# Altium PCB PCB1.PcbDoc (part 2 of 2)
Units mil, origin at the board's own origin, x right, y up, seen from the top; angles counter-clockwise.
Board outline 2550 x 3730 mil, 2 copper layers (Top Layer, Bottom Layer); 59 components, 95 nets, 376 pads, 149 vias.
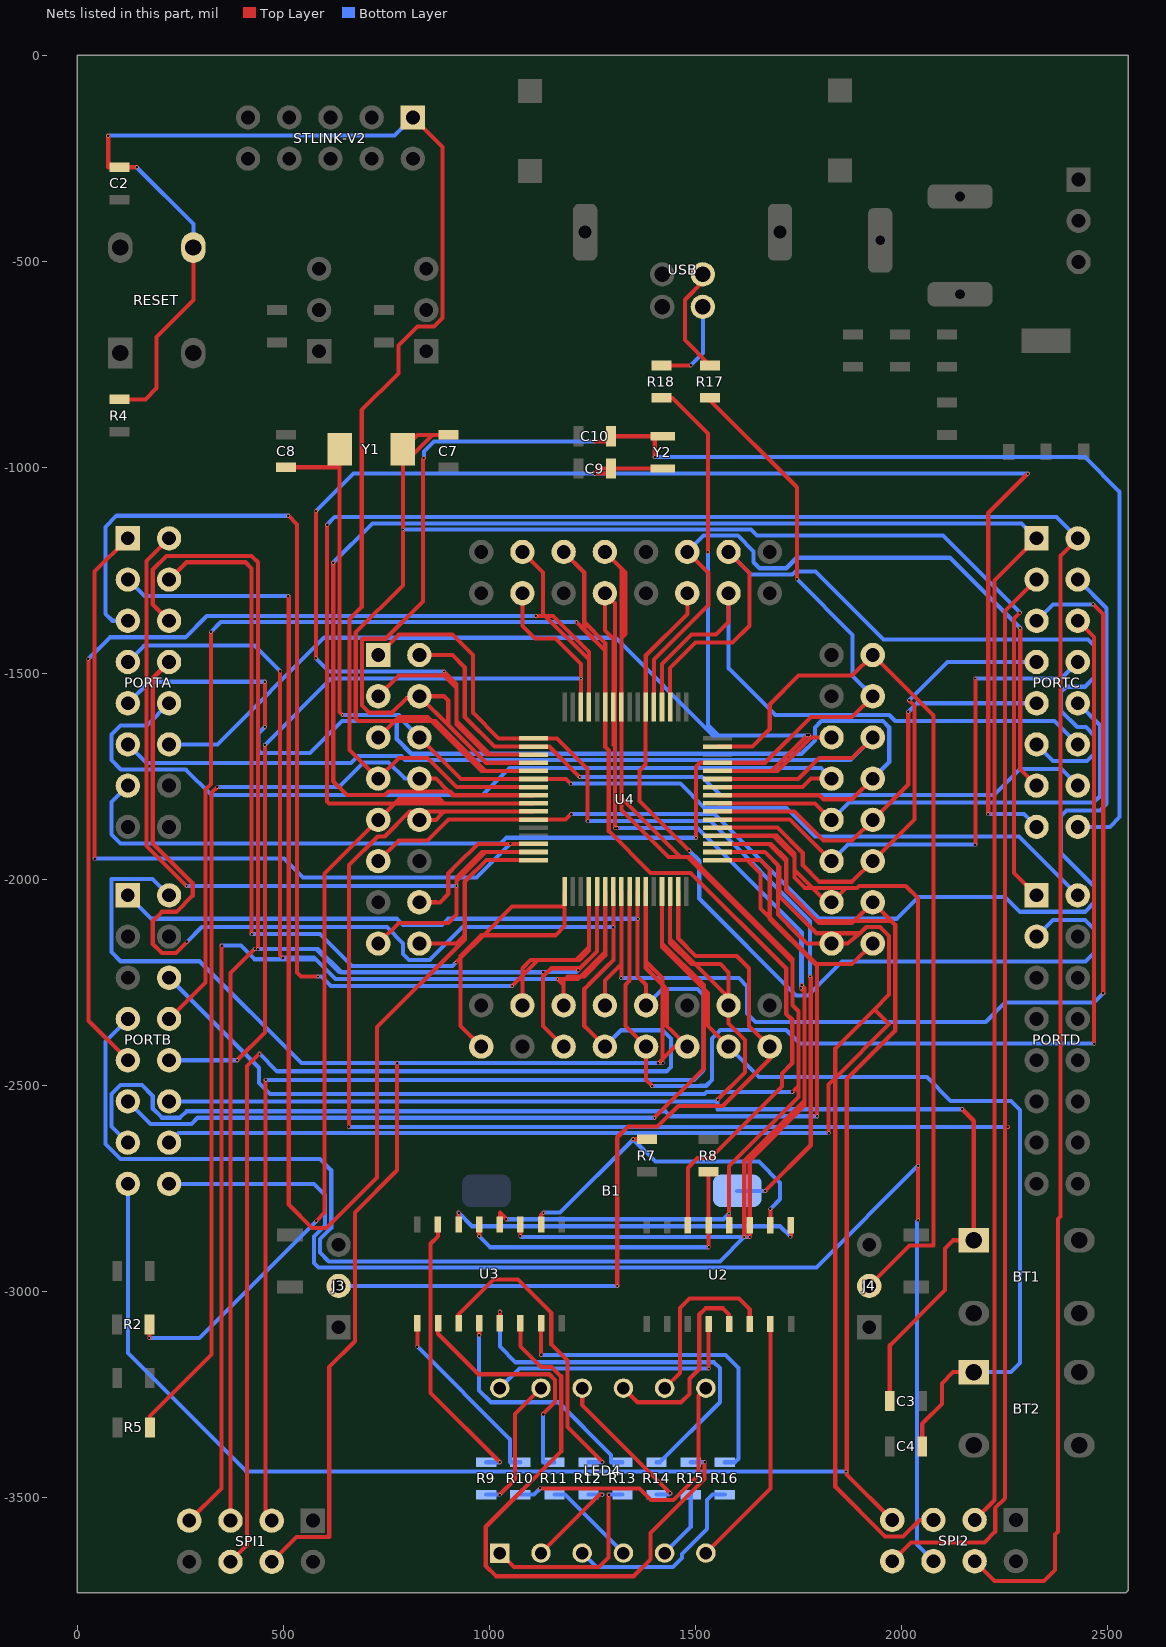
[diagram p2: the nets of this part, all layers, seen from the top]

## Via types
v1: diameter 7.87, hole 5.91, Top Layer to Bottom Layer, 149 vias

## Nets (pads, with @x,y where several pads share a name; then routed paths per layer and width w, separated by ;. In a path a pad name is that pad's centre, name@x,y a point inside that pad or via, vN(x,y) a via of type N, cw(c..) or ccw(c..) an arc to the next point about the centre after c; other vN are vias at no path point) (continued)
NetLED4_1: LED4.1 R13.2 | length 474.4
  Top Layer w10: LED4.1@1025,-3633.86 1059.14,-3668 1266,-3668 1289,-3645 v1(1289,-3492.13)
  Bottom Layer w10: v1(1289,-3492.13) R13.2@1322.83,-3492.13
NetLED4_2: LED4.2 R12.2 | length 241.5
  Top Layer w10: LED4.2@1125,-3633.86 1266.73,-3492.13 v1(1274,-3492.13)
  Bottom Layer w10: R12.2@1240.16,-3492.13 v1(1274,-3492.13)
NetLED4_3: LED4.3 R16.2 | length 479.7
  Bottom Layer w10: LED4.3@1225,-3633.86 1259.14,-3668 1445,-3668 1467,-3646 1467,-3636 1528,-3575 1528,-3505 1540.87,-3492.13 R16.2@1570.87,-3492.13
NetLED4_4: LED4.4 R11.2 | length 226.2
  Bottom Layer w10: R11.2@1157.48,-3492.13 1183.27,-3492.13 LED4.4@1325,-3633.86
NetLED4_5: LED4.5 R15.2 | length 167.9
  Bottom Layer w10: LED4.5@1425,-3633.86 1488.19,-3570.67 R15.2@1488.19,-3492.13
NetLED4_6: LED4.6 U2.7 | length 620.6
  Top Layer w10: LED4.6@1525,-3633.86 1681.59,-3477.27 U2.7@1681.59,-3078.15
NetLED4_7: LED4.7 R10.2 | length 692.9
  Top Layer w10: v1(1123.13,-3477) 1364,-3477 1392,-3505 1446,-3505 1507,-3444 1507,-3251.86 LED4.7@1525,-3233.86
  Bottom Layer w10: R10.2@1074.8,-3492.13 1108,-3492.13 v1(1123.13,-3477)
NetLED4_8: LED4.8 U2.6 | length 435.9
  Top Layer w10: LED4.8@1425,-3233.86 1462,-3196.86 1462,-3039 1485,-3016 1605,-3016 1631.59,-3042.59 U2.6@1631.59,-3078.15
NetLED4_9: LED4.9 U2.5 | length 493.5
  Top Layer w10: LED4.9@1325,-3233.86 1359.14,-3268 1465,-3268 1485,-3248 1485,-3211 1509,-3187 1509,-3055 1524,-3040 1566.59,-3040 1581.59,-3055 U2.5@1581.59,-3078.15
NetLED4_10: LED4.10 R14.2 | length 378.6
  Top Layer w10: LED4.10@1225,-3233.86 1225,-3275 v1(1439,-3489)
  Bottom Layer w10: R14.2@1405.51,-3492.13 1435.87,-3492.13 v1(1439,-3489)
NetLED4_11: LED4.11 R9.2 | length 332.5
  Top Layer w10: v1(1025,-3492) 1062,-3455 1062,-3296.86 LED4.11@1125,-3233.86
  Bottom Layer w10: R9.2@992.13,-3492.13 1024.87,-3492.13 v1(1025,-3492)
NetLED4_12: LED4.12 U2.4 | length 634.3
  Top Layer w10: v1(1531.59,-3186) U2.4@1531.59,-3078.15
  Bottom Layer w10: LED4.12@1025,-3233.86 1072.86,-3186 v1(1531.59,-3186)
NetR7_1: R7.1 U2.10 U3.10 | length 869.3
  Top Layer w10: U3.10@1125.1,-2836.69 1125.1,-2813.9 v1(1131,-2808) ; v1@1348.77,-2630.15 v1(1348.54,-2629.92) R7.1@1381.89,-2629.92 ; U2.10@1681.5,-2838.58 v1(1681.5,-2799)
  Bottom Layer w10: v1(1131,-2808) 1170.92,-2808 v1@1348.77,-2630.15 ; v1(1348.54,-2629.92) v1@1348.77,-2630.15 ; v1(1681.5,-2799) 1705,-2775.5 1705,-2735.5 1653.5,-2684 1402.62,-2684 v1@1348.77,-2630.15
NetR8_1: R8.1 U2.13 U3.13 | length 779.4
  Top Layer w10: v1(975,-2865) 975.1,-2864.9 U3.13@975.1,-2836.69 ; v1(1531.5,-2892) U2.13@1531.5,-2838.58 R8.1@1531.5,-2708.66
  Bottom Layer w10: v1(975,-2865) 1002,-2892 v1(1531.5,-2892)
NetR9_1: R9.1 U3.15 | length 686.7
  Top Layer w10: U3.15@875.1,-2836.69 875.1,-2865.31 857,-2883.41 857,-3245.39 v1(1025,-3413.39)
  Bottom Layer w10: R9.1@992.13,-3413.39 v1(1025,-3413.39)
NetR10_1: R10.1 U3.1 | length 455.1
  Top Layer w10: v1(825.19,-3133) U3.1@825.19,-3076.26
  Bottom Layer w10: v1(825.19,-3133) 1050,-3357.81 1050,-3413.39 R10.1@1074.8,-3413.39
NetR11_1: R11.1 U3.2 | length 594.6
  Top Layer w10: U3.2@875.19,-3076.26 875.19,-3101.69 973.5,-3200 1145,-3200 1159,-3214 1159,-3267.75 v1(1130,-3296.75)
  Bottom Layer w10: v1(1130,-3296.75) 1130,-3413.39 R11.1@1157.48,-3413.39
NetR12_1: R12.1 U3.3 | length 761.8
  Top Layer w10: U3.3@925.19,-3076.26 925.19,-3055 1009.69,-2970.5 1069.5,-2970.5 1150,-3051 1150,-3128 1189,-3167 1189,-3328 v1(1274,-3413)
  Bottom Layer w10: R12.1@1240.16,-3413.39 1273.61,-3413.39 v1(1274,-3413)
NetR13_1: R13.1 U3.4 | length 593.2
  Top Layer w10: v1(975,-3105) 975.19,-3104.81 U3.4@975.19,-3076.26
  Bottom Layer w10: v1(975,-3105) 975,-3239 1004,-3268 1167.24,-3268 1295,-3395.76 1295,-3413.39 R13.1@1322.83,-3413.39
NetR14_1: R14.1 U3.5 | length 965.3
  Top Layer w10: U3.5@1025.19,-3076.26 v1(1025.19,-3048)
  Bottom Layer w10: v1(1025.19,-3048) 1025.19,-3133 1063.19,-3171 1545,-3171 1559,-3185 1559,-3268 1413.61,-3413.39 R14.1@1405.51,-3413.39
NetR15_1: R15.1 U3.6 | length 1471.7
  Top Layer w10: U3.6@1075.19,-3076.26 1075.19,-3132.19 1125,-3182 1151,-3182 1174,-3205 1174,-3387 991,-3570 991,-3665 1016,-3690 1350,-3690 1391,-3649 1391,-3585 1522,-3454 v1(1522,-3413.39)
  Bottom Layer w10: R15.1@1488.19,-3413.39 v1(1522,-3413.39)
NetR16_1: R16.1 U3.7 | length 825.8
  Top Layer w10: v1(1125.19,-3153) U3.7@1125.19,-3076.26
  Bottom Layer w10: v1(1125.19,-3153) 1572.21,-3153 1604.21,-3185 1604.21,-3405 1595.83,-3413.39 R16.1@1570.87,-3413.39
NetR17_1: R17.1 USB.3 | length 264.5
  Top Layer w10: USB.3@1517.72,-531.5 1517.72,-549.28 1474,-593 1474,-690.97 R17.1@1535.43,-752.4
NetR18_2: R18.2 USB.2 | length 225.2
  Top Layer w10: R18.2@1417.32,-752.4 v1(1488,-752.4)
  Bottom Layer w10: v1(1488,-752.4) 1517.72,-722.69 USB.2@1517.72,-610.24
NetU2_9: U2.9 U3.14 | length 885.7
  Top Layer w10: v1(925,-2808) 925.1,-2808.1 U3.14@925.1,-2836.69 ; v1(1729.94,-2865.94) 1731.5,-2864.38 U2.9@1731.5,-2838.58
  Bottom Layer w10: v1(925,-2808) 958,-2841 1705,-2841 v1(1729.94,-2865.94)
PA0: PORTA.1 U4.14 | length 1927.9
  Top Layer w10: v1(42,-1949) 42,-1252.57 PORTA.1@122.64,-1171.93 ; v1(1050,-1913.27) U4.14@1106.5,-1913.27
  Bottom Layer w10: v1(42,-1949) 502,-1949 548,-1995 968.27,-1995 v1(1050,-1913.27)
PA1: PORTA.2 U4.15 | length 1787.8
  Top Layer w10: PORTA.2@222.64,-1171.93 168.11,-1226.45 168.11,-1918.11 v1(265,-2015) ; v1(920,-2015) 920,-2003.79 990.83,-1932.95 U4.15@1106.5,-1932.95
  Bottom Layer w10: v1(265,-2015) v1(920,-2015)
PA2: PORTA.3 U4.16 | length 3165
  Top Layer w10: v1(512,-1312) 513,-1313 513,-2788.15 569.85,-2845 605,-2845 727,-2723 727,-2358 940,-2145 940,-2135 940,-2005 992.36,-1952.64 1045,-1952.64 1064,-1952.64 1066.36,-1952.64 U4.16@1106.5,-1952.64
  Bottom Layer w10: PORTA.3@122.64,-1271.93 162.72,-1312 v1(512,-1312)
PA3: PORTA.4 U4.17 | length 1998.8
  Top Layer w10: PORTA.4@222.64,-1271.93 264.57,-1230 408,-1230 423,-1245 v1(423,-2132) ; v1(919,-2201) 930,-2190 985,-2135 1055,-2065 1182.36,-2065 U4.17@1182.36,-2028.5
  Bottom Layer w10: v1(423,-2132) 589,-2132 666.53,-2209.53 910.47,-2209.53 v1(919,-2201)
PA4: PORTA.5 U4.20 | length 2746
  Top Layer w10: v1(512,-1117) 533,-1138 533,-2225 543,-2235 v1(583.39,-2235) ; v1(1055,-2258) 1080,-2233 1118,-2195 1210,-2195 1218.79,-2195 1241.42,-2172.37 1241.42,-2163.58 U4.20@1241.42,-2028.5
  Bottom Layer w10: PORTA.5@122.64,-1371.93 84.93,-1371.93 68,-1355 68,-1144 95,-1117 v1(512,-1117) ; v1(583.39,-2235) 592,-2235 615,-2258 v1(1055,-2258)
PA5: PORTA.6 SPI1.5 U4.21 | length 4701.9
  Top Layer w10: PORTA.6@222.64,-1371.93 183.11,-1332.4 183.11,-1247.89 216,-1215 423,-1215 438,-1230 v1(438,-2168.45) ; SPI1.5@371.65,-3555.12 371.65,-2226.35 v1(430,-2168) ; v1(1130,-2225) 1130,-2235 1130,-2355 U4.21@1180,-2405 ; v1(1215,-2220) 1220,-2215 1261.1,-2173.9 1261.1,-2165.11 U4.21@1261.1,-2028.5
  Bottom Layer w10: v1(430,-2168) 584,-2168 640.53,-2224.53 ; v1(438,-2168.45) 579.45,-2168.45 635.53,-2224.53 640.53,-2224.53 ; v1(1130,-2225) 641,-2225 640.53,-2224.53 ; v1(1215,-2220) 1210.47,-2224.53 640.53,-2224.53
PA6: PORTA.7 SPI1.7 U4.22 | length 3826.9
  Top Layer w10: SPI1.7@271.65,-3555.12 350,-3476.77 v1(350,-2160) ; v1(492,-1494) 492,-2183 v1(498,-2189) ; U4.22@1180,-2305 1180,-2256 v1(1165,-2241) 1184,-2241 1215.21,-2241 1221.21,-2235 1280.79,-2175.43 U4.22@1280.79,-2028.5
  Bottom Layer w10: PORTA.7@122.64,-1471.93 162.57,-1432 430,-1432 v1(492,-1494) ; v1(350,-2160) 397,-2160 430,-2193 578,-2193 ; v1(498,-2189) 574,-2189 578,-2193 ; v1(1165,-2241) 626,-2241 578,-2193
PA7: PORTA.8 SPI1.6 U4.23 | length 4658.2
  Top Layer w10: PORTA.8@222.64,-1471.93 183.11,-1511.45 183.11,-1911.9 280,-2008.79 280,-2039 241,-2078 205,-2078 183,-2100 183,-2156 205,-2178 239,-2178 v1(266,-2151) ; SPI1.6@371.65,-3655.12 412,-3614.77 412,-2452 v1(442,-2422) ; v1(1300.47,-2115) U4.23@1300.47,-2028.5
  Bottom Layer w10: v1(266,-2151) 302,-2115 750.94,-2115 790.47,-2154.53 790.47,-2180 805,-2194.53 855,-2194.53 934.53,-2115 v1(1300.47,-2115) ; v1(442,-2422) 485,-2465 1430,-2465 1440,-2455 1440,-2385.47 1420,-2365.47 1319.53,-2365.47 U4.23@1280,-2405
PA8: PORTA.9 U4.41 | length 2347.1
  Top Layer w10: v1(455,-1629) v1(455,-1520)
  Bottom Layer w10: PORTA.9@122.64,-1571.93 174.57,-1520 v1(455,-1520) ; v1(455,-1629) 439,-1645 439,-1687 445,-1693 564.47,-1693 642,-1615.47 770,-1615.47 775,-1620.47 775,-1659.29 810.24,-1694.53 1757.47,-1694.53 1790,-1662 1790,-1630.47 1805,-1615.47 1955,-1615.47 1970,-1630.47 1970,-1715 U4.41@1930,-1755
PA9: PORTA.10 U4.42 | length 2053.5
  Bottom Layer w10: PORTA.10@222.64,-1571.93 168.57,-1626 105,-1626 83,-1648 83,-1710 105.4,-1732.4 263,-1732.4 325.6,-1795 983,-1795 1049,-1729 1804,-1729 U4.42@1830,-1755
PA10: PORTA.11 U4.43 | length 1859.5
  Bottom Layer w10: PORTA.11@122.64,-1671.93 168.11,-1717.4 663.79,-1717.4 680.72,-1700.47 786.18,-1700.47 795.24,-1709.53 1875.47,-1709.53 U4.43@1930,-1655
PA11: PORTA.12 R18.1 U4.44 | length 2958.5
  Top Layer w10: R18.1@1417.32,-831.14 1444,-831.14 1530,-917.14 v1(1530,-1205) ; U4.44@1553.5,-1736.1 1683.9,-1736.1 v1(1770,-1650) ; v1(1775,-1650) 1780,-1655 U4.44@1830,-1655
  Bottom Layer w10: PORTA.12@222.64,-1671.93 340.07,-1671.93 599,-1413 1305.32,-1413 1542.32,-1650 1555,-1650 ; v1(1530,-1205) 1530,-1625 1555,-1650 ; v1(1775,-1650) v1(1770,-1650) 1555,-1650
PA12: PORTA.13 R17.2 U4.45 | length 2683.3
  Top Layer w10: v1(1501,-1898.27) 1501,-1726 1510.58,-1716.42 U4.45@1553.5,-1716.42 ; R17.2@1535.43,-831.14 1535.43,-837.43 1746,-1048 v1(1746,-1271)
  Bottom Layer w10: PORTA.13@122.64,-1771.93 83,-1811.57 83,-1890 105,-1912 1027.23,-1912 1040.97,-1898.27 v1(1501,-1898.27) ; v1(1746,-1271) 1881,-1406 1881,-1506 U4.45@1930,-1555
PB0: PORTB.1 SPI1.3 U4.26 | length 3839.5
  Top Layer w10: v1(457,-2486) 457,-3555.12 SPI1.3@471.65,-3555.12 ; v1(1359.53,-2095) U4.26@1359.53,-2028.5
  Bottom Layer w10: PORTB.1@122.64,-2038.07 179.56,-2095 775.47,-2095 790,-2109.53 884.53,-2109.53 899.06,-2095 v1(1359.53,-2095) ; v1(457,-2486) 1496.12,-2486 1519.53,-2462.6 1519.53,-2280 1505,-2265.47 1419.53,-2265.47 U4.26@1380,-2305
PB1: PORTB.2 SPI1.4 U4.27 | length 3685.1
  Top Layer w10: SPI1.4@471.65,-3655.12 532.13,-3594.64 611.17,-3594.64 611.17,-3182.21 673.39,-3120 673.39,-2807.61 776,-2705 v1(776,-2445) ; U4.27@1379.21,-2028.5 1379.21,-2097 1379.21,-2198.21 1420,-2239 1420,-2255 1420,-2435 ; v1(1410,-2445) 1420,-2435 ; v1(1420,-2445) 1420,-2435 ; U4.27@1480,-2405 1450,-2405 1420,-2435
  Bottom Layer w10: PORTB.2@222.64,-2038.07 182.56,-1998 83,-1998 83,-2176 105,-2198 296.58,-2198 543.58,-2445 v1(776,-2445) v1(1410,-2445) v1(1420,-2445)
PB5: PORTB.6 U2.12 U3.12 U4.57 | length 4982.7
  Top Layer w10: U3.12@1025.1,-2836.69 1025.1,-2808.1 v1(1041,-2824) ; U4.57@1280,-1205 1320,-1245 1320,-1802 1320.16,-1802.16 ; U4.57@1320.16,-1581.5 1320.16,-1802.16 ; U2.12@1581.5,-2838.58 v1(1581.5,-2810) 1581.5,-2695.25 1749.53,-2527.21 1749.53,-2500.53 ; v1(1735,-2515.06) 1749.53,-2500.53 ; 1320.16,-1802.16 1463,-1945 ; 1320.16,-1802.16 1320.16,-1830.77 1434.39,-1945 1463,-1945 ; 1463,-1945 1480,-1945 ; 1480,-1945 1487.61,-1945 1735,-2192.39 1735,-2200 ; 1480,-1945 1735,-2200 ; 1735,-2200 1735,-2304.74 1749.53,-2319.26 1749.53,-2500.53
  Bottom Layer w10: PORTB.6@222.64,-2238.07 441.01,-2456.43 441.01,-2493.11 467.9,-2520 1522.12,-2520 1527.06,-2515.06 v1(1735,-2515.06) ; v1(1041,-2824) 1567.5,-2824 v1(1581.5,-2810)
PB6: PORTB.7 U2.11 U3.11 U4.58 | length 5340.8
  Top Layer w10: v1(1075,-2865) 1075.1,-2864.9 U3.11@1075.1,-2836.69 ; U4.58@1280,-1305 1304.5,-1329.5 1304.5,-1677.03 ; U4.58@1300.47,-1581.5 1300.47,-1673 1304.5,-1677.03 ; v1(1304.5,-1875) 1304.5,-1869.5 ; v1(1310,-1875) 1304.5,-1869.5 ; v1(1618,-2867) 1618,-2682.94 1764.53,-2536.41 ; v1(1631,-2867) 1631.5,-2866.5 U2.11@1631.5,-2838.58 1631.5,-2681 1764.53,-2547.97 1764.53,-2536.41 ; v1(1755.61,-2263.61) 1764.53,-2272.53 ; v1(1758,-2256) 1764.53,-2262.53 1764.53,-2272.53 ; 1304.5,-1869.5 1304.5,-1677.03 ; 1764.53,-2536.41 1764.53,-2272.53
  Bottom Layer w10: PORTB.7@122.64,-2338.07 68.11,-2392.6 68.11,-2641.11 105,-2678 589,-2678 616,-2705 616,-2845 589,-2872 589,-2905 610,-2926 1559,-2926 v1(1618,-2867) ; v1(1075,-2865) 1077,-2867 v1(1618,-2867) ; v1(1304.5,-1875) v1(1310,-1875) 1505,-1875 1755.61,-2125.61 ; v1(1631,-2867) v1(1618,-2867) ; v1(1755.61,-2263.61) 1755.61,-2125.61 ; v1(1758,-2256) 1758,-2128 1755.61,-2125.61
PB7: PORTB.8 U2.14 U4.59 | length 4085.1
  Top Layer w10: PORTB.8@222.64,-2338.07 310.96,-2249.75 310.96,-1781.04 324,-1768 v1(324,-1399) ; U4.59@1180,-1205 1230,-1255 1230,-1366.21 1230,-1375 1230,-1393.79 ; v1(1211.21,-1375) 1230,-1393.79 ; U4.59@1280.79,-1581.5 1280.79,-1444.57 ; U2.14@1481.5,-2838.58 1481.5,-2699.01 1505,-2675.5 1536.5,-2675.5 1710,-2502 1710,-2469.9 1734.53,-2445.37 1734.53,-2340 1720,-2325.47 1720,-2216 1487.5,-1983.5 1390.5,-1983.5 1289.5,-1882.5 1289.5,-1687 1281,-1678.5 1281,-1444.79 1280.79,-1444.57 ; 1230,-1393.79 1280.79,-1444.57
  Bottom Layer w10: v1(324,-1399) 348,-1375 v1(1211.21,-1375)
PB8: PORTB.9 U4.61 | length 2441.3
  Top Layer w10: v1(27,-1464) 27,-2342.43 PORTB.9@122.64,-2438.07 ; v1(1112,-1360) 1135,-1360 1153.79,-1360 1241.42,-1447.63 1241.42,-1466.42 1241.42,-1475.2 U4.61@1241.42,-1581.5
  Bottom Layer w10: v1(27,-1464) 79,-1412 262,-1412 314,-1360 v1(1112,-1360)
PB9: PORTB.10 U4.62 | length 1861.1
  Top Layer w10: v1(388,-2438.07) 455,-2371.07 v1(455,-1673) ; U4.62@1221.73,-1581.5 v1(1221.73,-1512)
  Bottom Layer w10: PORTB.10@222.64,-2438.07 v1(388,-2438.07) ; v1(455,-1673) 616,-1512 v1(1221.73,-1512)
PB10: BT2.1 C4.1 PORTB.11 U4.29 | length 3714.2
  Top Layer w10: v1(1400.4,-2577.6) 1520,-2458 1520,-2265 1520,-2256.21 1418.58,-2154.8 U4.29@1418.58,-2028.5 ; C4.1@2050,-3375 2050,-3320 2098,-3272 2098,-3222 2125,-3195 BT2.1@2175,-3195
  Bottom Layer w10: PORTB.11@122.64,-2538.07 177.17,-2592.6 277.17,-2592.6 292.17,-2577.6 v1(1400.4,-2577.6) ; U4.29@1580,-2405 1654,-2479 2061,-2479 2119,-2537 2265,-2537 2287,-2559 2287,-3173 2265,-3195 BT2.1@2175,-3195
PB11: BT1.1 C3.1 PORTB.12 U4.30 | length 3390.7
  Top Layer w10: U4.30@1438.27,-2028.5 1438.27,-2144.48 1498.79,-2205 1580,-2286.21 U4.30@1580,-2305 1580,-2349 1620,-2389 1620,-2467.44 v1(1553.44,-2534) ; C3.1@1971.26,-3265 1971.26,-3129.74 2105,-2996 2105,-2895 2125,-2875 BT1.1@2175,-2875 2175,-2585 v1(2147,-2557)
  Bottom Layer w10: PORTB.12@222.64,-2538.07 1549.37,-2538.07 v1(1553.44,-2534) 1553.44,-2557 v1(2147,-2557)
PB12: PORTB.13 U4.33 | length 2680.7
  Top Layer w10: U4.33@1553.5,-1952.64 1625.49,-1952.64 1657.85,-1985 1657.85,-2069.85 1680,-2092 1793,-2205 1795,-2207 v1(1795,-2574)
  Bottom Layer w10: PORTB.13@122.64,-2638.07 83.11,-2598.54 83.11,-2520.43 105,-2498.54 156.65,-2498.54 183.11,-2525 183.11,-2555.71 205,-2577.6 249.4,-2577.6 265,-2562 1427,-2562 1439,-2574 v1(1795,-2574)
PB13: PORTB.14 SPI2.5 U4.34 | length 4314.3
  Top Layer w10: U4.34@1553.5,-1932.95 1667.95,-1932.95 ; 1668,-1932.95 1704,-1968.95 1704,-2041 1793,-2130 1899.1,-2130 ; v1(1823,-2614.92) 1823,-2497 1839,-2481 ; U4.34@1830,-2155 1869,-2155 1899.1,-2130 ; SPI2.5@2077.17,-3553.54 2044,-3553.54 2003.54,-3594 1960,-3594 1839,-3473 1839,-2481 ; 1839,-2481 1839,-2409.53 1933.79,-2314.74 ; 1839,-2481 1969.53,-2350.47 1933.79,-2314.74 ; 1899.1,-2130 1914.1,-2115 1948,-2115 1969.53,-2136.53 1969.53,-2279 1933.79,-2314.74
  Bottom Layer w10: PORTB.14@222.64,-2638.07 245.79,-2614.92 v1(1823,-2614.92)
PB14: PORTB.15 SPI2.7 U4.35 | length 5653.7
  Top Layer w10: U4.35@1553.5,-1913.27 1678.27,-1913.27 1683.27,-1913.27 1720,-1950 1720,-1955 1720,-2025 1795,-2100 1885,-2100 1974,-2100 1984.53,-2110.53 ; v1(1866,-3436) 1866,-2485 1866.73,-2484.27 ; U4.35@1930,-2055 1984.53,-2109.53 1984.53,-2110.53 ; SPI2.7@1977.17,-3553.54 1866.73,-3443.11 1866.73,-2484.27 ; 1866.73,-2484.27 1984.53,-2366.47 ; 1984.53,-2366.47 1984.53,-2110.53 ; 1984.53,-2366.47 1985,-2366 1985,-2111 1984.53,-2110.53
  Bottom Layer w10: PORTB.15@122.64,-2738.07 122.64,-3148.64 410,-3436 v1(1866,-3436)
PB15: PORTB.16 SPI2.6 U4.36 | length 4402.3
  Top Layer w10: U4.36@1553.5,-1893.58 1679.8,-1893.58 1688.58,-1893.58 1697.37,-1893.58 1740,-1936.21 1740,-1945 1740,-1953.79 1740,-1966.21 1740,-1976.21 1740,-1995 1765,-2020 1783.79,-2020 1865,-2020 ; U4.36@1830,-2055 1865,-2020 ; v1(2040,-2826) v1(2040,-2694) 2040,-2045 2010,-2015 1897,-2015 1892,-2020 1865,-2020
  Bottom Layer w10: PORTB.16@222.64,-2738.07 574.07,-2738.07 601,-2765 601,-2838.79 574,-2865.79 574,-2930 585,-2941 1793,-2941 v1(2040,-2694) ; v1(2040,-2826) 2037,-2829 2037,-3613.38 SPI2.6@2077.17,-3653.54
PC0: PORTC.1 R5.2 SPI2.3 U4.8 | length 7395.3
  Top Layer w10: R5.2@176.38,-3328.94 176.38,-3301.62 326,-3152 326,-1789 v1(340,-1775) ; v1(621,-1231) 621,-1762 654,-1795 745.9,-1795 754.9,-1786 901,-1786 905,-1786 914.16,-1795.16 915.16,-1795.16 918.16,-1795.16 U4.8@1106.5,-1795.16 ; SPI2.3@2177.17,-3553.54 2225,-3505.71 2225,-1274.29 PORTC.1@2327.36,-1171.93
  Bottom Layer w10: v1(340,-1775) 635,-1775 694.53,-1715.47 755,-1715.47 794.53,-1755 U4.8@830,-1755 ; v1(621,-1231) 716.53,-1135.47 2290.9,-1135.47 PORTC.1@2327.36,-1171.93
PC1: PORTC.2 R2.2 SPI2.4 U4.9 | length 7366.8
  Top Layer w10: v1(175,-3112) 175.12,-3111.88 R2.2@175.12,-3078.94 ; v1(580,-2828) 600,-2808 600,-1985 U4.9@730,-1855 ; v1(606,-1139) 606,-1810 610.84,-1814.84 770.16,-1814.84 889.84,-1814.84 U4.9@1106.5,-1814.84 ; SPI2.4@2177.17,-3653.54 2225.62,-3702 2345,-3702 2372,-3675 2372,-3589 2379,-3582 2379,-2823 2385,-2817 2385,-1214.29 PORTC.2@2427.36,-1171.93
  Bottom Layer w10: v1(175,-3112) 296,-3112 v1(580,-2828) ; v1(606,-1139) 624.53,-1120.47 2375.9,-1120.47 PORTC.2@2427.36,-1171.93
PC2: PORTC.3 SPI2.8 U4.10 | length 5373.3
  Top Layer w10: v1(659,-2599.92) 659,-1965 729,-1895 745.9,-1895 806.37,-1834.53 890.47,-1834.53 U4.10@1106.5,-1834.53 ; SPI2.8@1977.17,-3653.54 2022.64,-3608.07 2200.93,-3608.07 2227,-3582 2227,-3525 2251,-3501 2251,-2599.92 ; v1(2257.84,-2599.92) 2251,-2599.92 ; PORTC.3@2327.37,-1271.93 2251,-1348.29 2251,-2599.92
  Bottom Layer w10: v1(659,-2599.92) v1(2257.84,-2599.92)
PC3: PORTC.4 U4.11 | length 2456.2
  Top Layer w10: U4.11@1106.5,-1854.21 1184.79,-1854.21 v1(1198,-1841)
  Bottom Layer w10: v1(1198,-1841) 1546.47,-1841 1800.47,-2095 1988,-2095 2041,-2042 2251,-2042 2287,-2078 2445,-2078 2467,-2056 2467,-2016 2387,-1936 2387,-1845 2400,-1832 2481,-1832 2497,-1816 2497,-1341.56 PORTC.4@2427.37,-1271.93
PC4: PORTC.5 U4.24 | length 2598.8
  Top Layer w10: v1(1320,-2239) 1320.16,-2238.84 1320.16,-2204.84 1320.16,-2201.84 U4.24@1320.16,-2028.5 ; v1(2465,-1332) 2489,-1356 v1(2489,-2276)
  Bottom Layer w10: v1(1320,-2239) 1605,-2239 1625,-2259 1625,-2325 1645,-2345 2204,-2345 2251,-2298 2467,-2298 v1(2489,-2276) ; PORTC.5@2327.37,-1371.93 2367.29,-1332 v1(2465,-1332)
PC5: PORTC.6 U4.25 | length 2345.9
  Top Layer w10: U4.25@1380,-2405 1380,-2486 v1(1395,-2501) ; PORTC.6@2427.37,-1371.93 2467,-1411.56 v1(2467,-2398)
  Bottom Layer w10: v1(1395,-2501) 1511.12,-2501 1512.06,-2500.06 1525.94,-2500.06 1540,-2486 1540,-2385 1560,-2365 1720,-2365 1753,-2398 v1(2467,-2398)
PC6: PORTC.7 U4.37 | length 785.1
  Top Layer w10: U4.37@1930,-1955 2031,-1854 2031,-1578 v1(2018,-1565)
  Bottom Layer w10: v1(2018,-1565) 2111.07,-1471.93 PORTC.7@2327.37,-1471.93
PC7: PORTC.8 U4.38 | length 1033.5
  Top Layer w10: v1(2179,-1915) v1(2179,-1512)
  Bottom Layer w10: U4.38@1830,-1955 1870,-1915 v1(2179,-1915) ; v1(2179,-1512) 2387.29,-1512 PORTC.8@2427.37,-1471.93
PC8: PORTC.9 U4.39 | length 617.7
  Top Layer w10: U4.39@1930,-1855 2016,-1769 v1(2016,-1593)
  Bottom Layer w10: v1(2016,-1593) 2037.07,-1571.93 PORTC.9@2327.37,-1571.93
PC9: PORTC.10 U4.40 | length 923.6
  Bottom Layer w10: U4.40@1830,-1855 1872,-1813 2466,-1813 2481.89,-1797.11 2481.89,-1626.45 PORTC.10@2427.37,-1571.93
PC10: PORTC.11 U4.51 | length 1518.4
  Bottom Layer w10: U4.51@1580,-1205 1634.53,-1259.53 1734.53,-1259.53 1742.06,-1252 1791,-1252 1956,-1417 2452,-1417 2467,-1432 2467,-1510 2445,-1532 2400,-1532 2387,-1545 2387,-1591 2426,-1630 2447,-1630 2466.89,-1649.89 2466.89,-1695.11 2450,-1712 2367.44,-1712 PORTC.11@2327.37,-1671.93
PC11: PORTC.12 U4.52 | length 1106
  Bottom Layer w10: U4.52@1580,-1305 1580,-1487 1693.47,-1600.47 1970,-1600.47 1984.53,-1615 2370.44,-1615 PORTC.12@2427.37,-1671.93
PC12: PORTC.13 U4.53 | length 1352.2
  Top Layer w10: v1(2287.84,-1390) 2287.84,-1732.4 PORTC.13@2327.37,-1771.93
  Bottom Layer w10: U4.53@1480,-1205 1519.53,-1165.47 1602.47,-1165.47 1640.47,-1203.47 1640.47,-1230 1655,-1244.53 1720,-1244.53 1745.53,-1219 2116.84,-1219 v1(2287.84,-1390)
PC13: PORTC.14 U4.2 | length 1412.4
  Top Layer w10: U4.2@1106.5,-1677.05 1145,-1677.05 v1(1218.95,-1751)
  Bottom Layer w10: v1(1218.95,-1751) 1516,-1751 1560,-1795 2224,-1795 2287,-1732 2387.44,-1732 PORTC.14@2427.37,-1771.93
PC14: C9.1 PORTC.15 U4.3 Y2.2 | length 4084.5
  Top Layer w10: v1(579,-1463) v1(579,-1106) ; v1(890,-1495) 920,-1525 920,-1535 920,-1606.21 920,-1615 920,-1623.79 992.95,-1696.73 1001.73,-1696.73 1010.52,-1696.73 U4.3@1106.5,-1696.73 ; 1357,-1002.88 C9.1@1294.56,-1002.88 1294.56,-1015 v1(1255,-1015) 1267.13,-1002.87 1357.01,-1002.87 Y2.2@1420.55,-1002.87 ; v1(2210,-1841) 2210,-1111 v1(2306,-1015)
  Bottom Layer w10: v1(579,-1463) 611,-1495 v1(890,-1495) ; v1(579,-1106) 670,-1015 v1(1255,-1015) v1(2306,-1015) ; v1(2210,-1841) 2296.44,-1841 PORTC.15@2327.37,-1871.93
PC15: C10.1 PORTC.16 U4.4 Y2.1 | length 3931.8
  Top Layer w10: v1(841,-977) 839,-979 839,-1324.79 748.31,-1415.47 690.47,-1415.47 690.47,-1577.47 708,-1595 764,-1595 799,-1560 835,-1560 900,-1625 991.42,-1716.42 1000.2,-1716.42 U4.4@1106.5,-1716.42 ; v1(1255,-937) 1294.56,-937 C10.1@1294.56,-924.14 1357.01,-924.13 Y2.1@1401,-924.13 ; v1(1401,-975) Y2.1@1401,-924.13 ; Y2.1@1420.55,-924.13 Y2.1@1401,-924.13
  Bottom Layer w10: v1(841,-977) 841,-961 865,-937 v1(1255,-937) ; v1(1401,-975) 2445,-975 2529,-1059 2529,-1847.93 2505,-1871.93 PORTC.16@2427.37,-1871.93
PD0: C7.1 PORTD.1 U4.5 Y1.2 | length 3863.7
  Top Layer w10: v1(789.96,-1150.47) Y1.2@789.96,-956.22 825.39,-920.79 862,-920.79 ; C7.1@900.21,-920.79 862,-920.79 ; U4.5@1106.5,-1736.1 989.89,-1736.1 868.79,-1615 860,-1615 770,-1615 680.94,-1615 675.47,-1609.53 675.47,-1400.47 790,-1285.94 790,-992.79 862,-920.79 ; v1(2287,-1352) 2272.84,-1366.16 2272.84,-1983.55 PORTD.1@2327.36,-2038.07
  Bottom Layer w10: v1(789.96,-1150.47) 1634.53,-1150.47 1649.06,-1165 2100,-1165 v1(2287,-1352)
PD1: C8.1 PORTD.2 U4.6 Y1.1 | length 2426.7
  Top Layer w10: C8.1@506.49,-999.52 636.42,-999.52 ; Y1.1@636.42,-956.22 636.42,-999.52 ; v1(643.47,-1600.47) 636.42,-1593.42 636.42,-999.52 ; U4.6@1106.5,-1755.79 1185.79,-1755.79 v1(1197,-1767)
  Bottom Layer w10: v1(643.47,-1600.47) 780.14,-1600.47 789.67,-1610 789.67,-1614.67 U4.6@830,-1655 ; v1(1197,-1767) 1463,-1767 1522,-1826 1721,-1826 1790,-1895 2284.29,-1895 PORTD.2@2427.36,-2038.07
PD2: PORTD.3 U4.54 | length 2170.3
  Top Layer w10: U4.54@1480,-1305 1480,-1355 1379.21,-1455.79 1379,-1456 1379,-1721 1364,-1736 1364,-1809 v1(1485,-1930)
  Bottom Layer w10: v1(1485,-1930) 1509,-1954 1509,-2045.79 1744.21,-2281 1773,-2281 1855.46,-2198.54 2446.46,-2198.54 2467,-2178 2467,-2120 2445,-2098 2367.43,-2098 PORTD.3@2327.37,-2138.07
PIN31: J3.2 U4.31 | length 1515.7
  Top Layer w10: v1(1310,-2985.83) 1310,-2625 1336,-2599 1408,-2599 1458,-2549 1566,-2549 1680,-2435 U4.31@1680,-2405
  Bottom Layer w10: J3.2@633.86,-2985.83 v1(1310,-2985.83)
PIN47: J4.2 U4.47 | length 1690.2
  Top Layer w10: J4.2@1921.26,-2985.83 2019.09,-2888 2077,-2888 2077,-1602 U4.47@1930,-1455
RESET: C2.2 R4.2 RESET.4 STLINK-V2.1 U4.7 | length 3413.6
  Top Layer w10: v1(75,-195) 75,-271.65 C2.2@102.35,-271.65 v1(144,-271.65) ; R4.2@102.36,-834.65 165,-834.65 192,-807.65 192,-683.5 281.5,-594 RESET.4@281.5,-466.53 ; U4.7@730,-1755 660.47,-1685.47 660.47,-1367.7 690,-1338.17 690,-861 779,-772 779,-704 825,-658 865,-658 886,-637 886,-222.61 STLINK-V2.1@814.17,-150.78
  Bottom Layer w10: v1(75,-195) 769.95,-195 STLINK-V2.1@814.17,-150.78 ; v1(144,-271.65) 281.5,-409.15 RESET.4@281.5,-466.53
VBAT: B1.1 U4.1 | length 1698.5
  Top Layer w10: U4.1@1106.5,-1657.36 1164.05,-1657.36 1238,-1731.31 v1(1238,-1858) ; v1(1669,-2755) 1779.53,-2644.47 1779.53,-2236.53 v1(1778,-2235)
  Bottom Layer w10: v1(1238,-1858) 1536,-1858 1778,-2100 v1(1778,-2235) ; B1.1@1601.02,-2755 v1(1669,-2755)
pads on no net: 5VDC.3 BT1.2 BT1.4 BT2.2 BT2.4 RESET.1 RESET.3 STLINK-V2.3 U1.4 U2.1 U2.2 U2.3 U2.15 U3.9 USB.S1 USB.S2

## Keep-outs
Keep-Out Layer:
  circle w10: c2451.57,-3631.57 r59.06
  circle w10: c98.43,-3631.57 r59.06
  circle w10: c98.43,-98.43 r59.06
  circle w10: c2451.57,-98.43 r59.06
  lines w10: 0,-3730 0,0 2550,0 2550,-3730 0,-3730

## Silkscreen, mask and mechanical layers (free items; w line width, h text height)
Top Overlay:
  text "1" at 586.61,-3094.49 h39.37
  text "1" at 1940,-3160 h39.37 r90

## Text inside footprints (layer, text, board x,y; h text height)
U4: Top Overlay "*" at 1030,-1605 h50